# Altium PCB 电调主板.PcbDoc
Units mil, origin at the board's own origin, x right, y up, seen from the top; angles counter-clockwise.
Board outline 1785.48 x 2000.18 mil, 2 copper layers (Top Layer, Bottom Layer); 64 components, 29 nets, 154 pads, 86 vias.
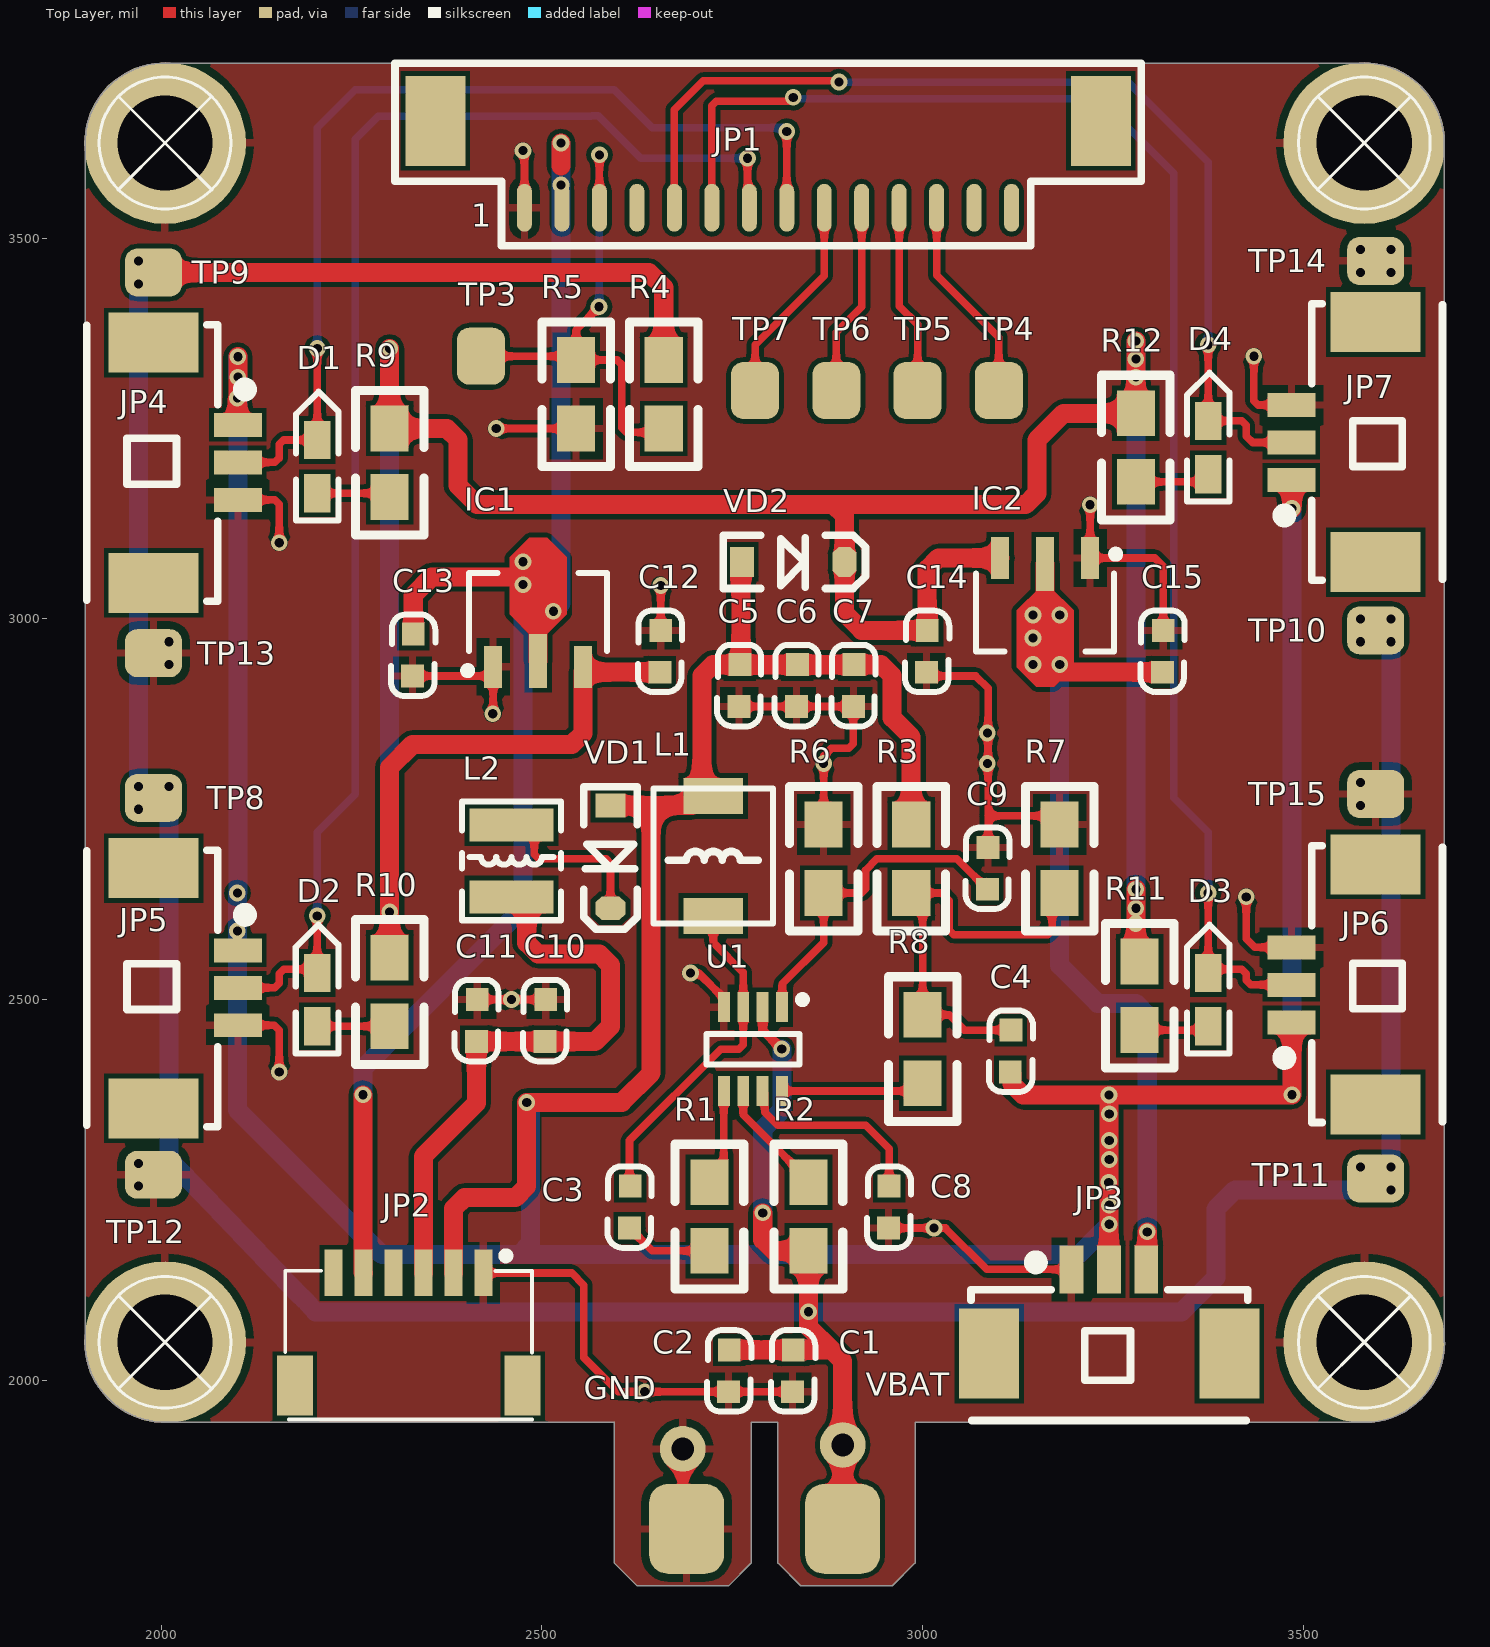
[diagram p0: Top Layer view]
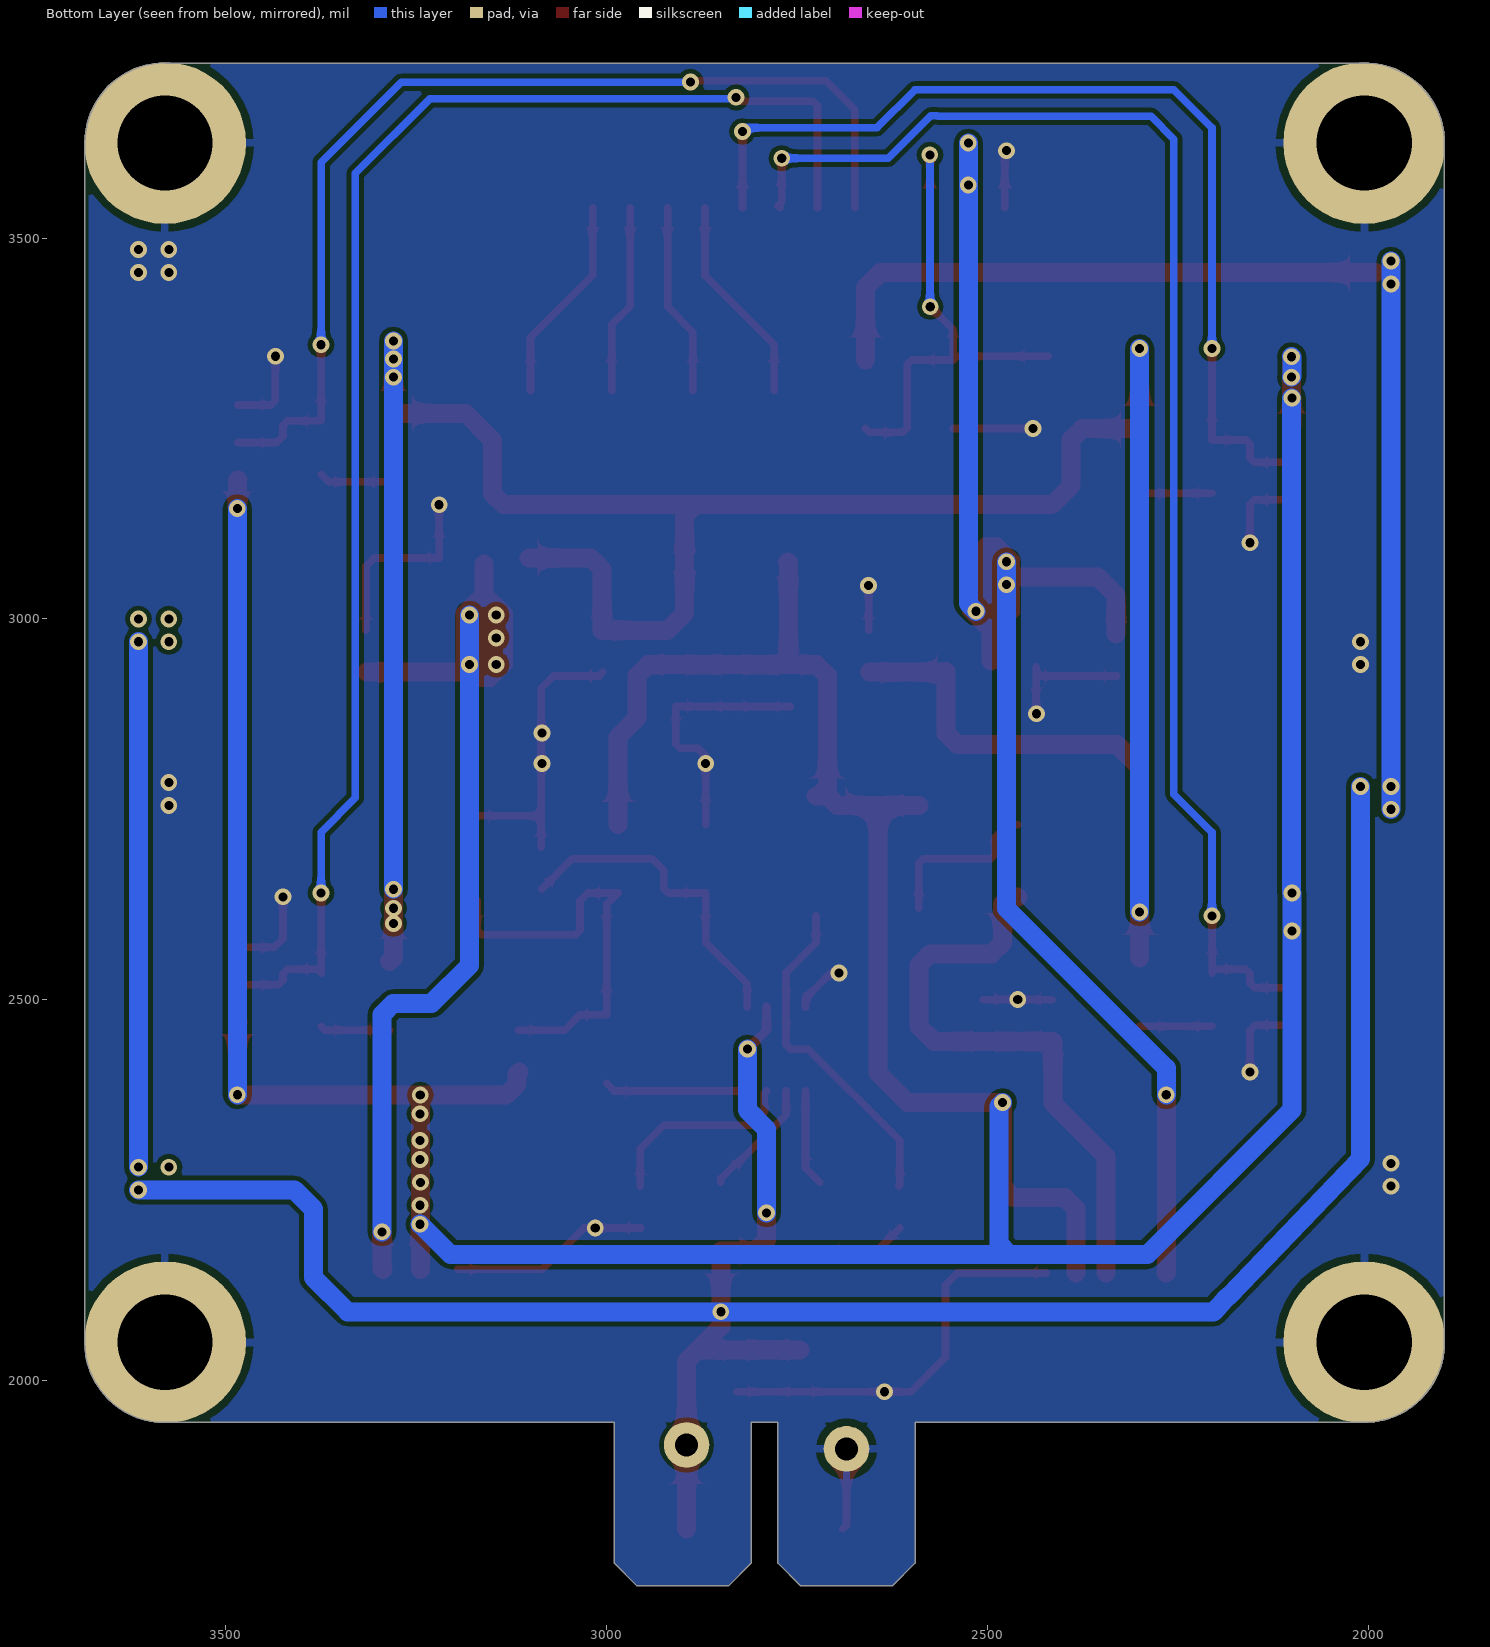
[diagram p1: Bottom Layer view, seen from below]
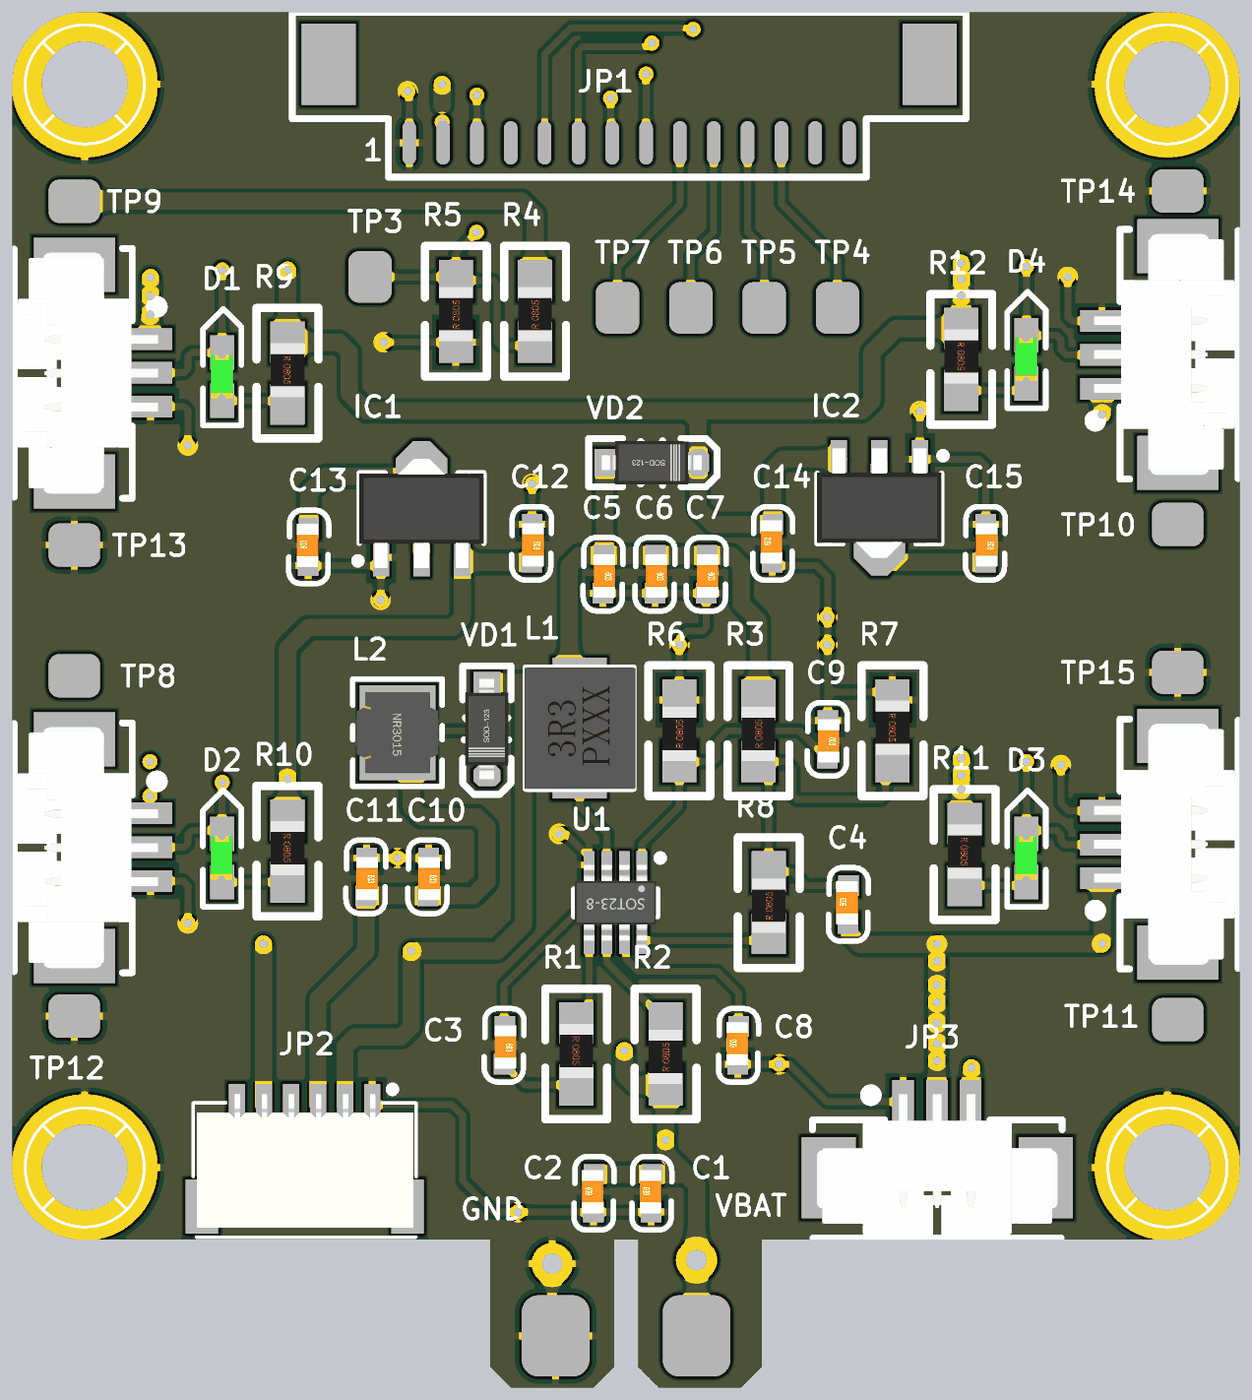
[diagram p2: 3D render of the assembled board from above, using the file's embedded part models]

## Layer stack, top to bottom
Top Solder: solder mask 0.4, Solder Resist, Dk 3.5
Top Layer: signal copper 1.4
Dielectric 1: dielectric 12.6, FR-4, Dk 4.8
Bottom Layer: signal copper 1.4
Bottom Solder: solder mask 0.4, Solder Resist, Dk 3.5

## Board outline
2595,1760 2595,1945 2000,1945 cw(c2005,2050) 1900.35,2040.03 1900,2040 1900,3630 cw(c2005,3625) 2000,3730 3580,3730 3580,3730.18 cw(c3580,3625) 3685.18,3625 3685.18,3624.8 3685.18,2050 3685.48,2050 cw(c3580,2050) 3590,1945 2990,1945 2990,1760 2960,1730 2840,1730 2810,1760 2810,1945 2775,1945 2775,1760 2745,1730 2625,1730

## Design rules (kind name [scope] priority, off if disabled: settings)
Clearance [All] p1: gap=6 ignorepadtopadclearanceinfootprint=FALSE
PolygonConnect [All] p1: thpad.connectstyle=Relief thpad.reliefconductorwidth=10 thpad.reliefentries=4 thpad.polygonreliefangle="90 Angle" thpad.airgapwidth=10 smdpad.connectstyle=Relief smdpad.reliefconductorwidth=10 smdpad.reliefentries=4 smdpad.polygonreliefangle="90 Angle" smdpad.airgapwidth=10 via.connectstyle=Direct via.reliefconductorwidth=10 via.reliefentries=4 via.polygonreliefangle="90 Angle" via.airgapwidth=10
RoutingVias [All] p1: holewidth=12 width=22 viastyle="Through Hole" minholewidth=12 minwidth=22 maxholewidth=12 maxwidth=22
SilkToSilkClearance [All] p1: silktosilkclearance=2
SilkToSolderMaskClearance [IsPad] p1: minsilkscreentomaskgap=2 clearancetoexposedcopper=TRUE
SolderMaskExpansion [All] p1: expansion=4 istentingtop=FALSE
Width POWER [InNetClass('POWER')] p1: maxlimit=60 minlimit=15 preferedwidth=25
Width Width_1 [All] p2: maxlimit=10 minlimit=10 preferedwidth=10
28 further rules are at their usual default settings.

## Classes and differential pairs
net class POWER: 3V3_MCU 3V3_SEN 4V5 5V 5V_LC VBAT
component class 电调主板: C1 C2 C3 C4 C5 C6 C7 C8 C9 C10 C11 C12 C13 C14 C15 D1 D2 D3 D4 IC1 IC2 JP1 JP2 JP3 JP4 JP5 JP6 JP7 L1 L2 R1 R2 R3 R4 R5 R6 R7 R8 R9 R10 R11 R12 TP3 TP4 TP5 TP6 TP7 TP8 TP9 TP10 TP11 TP12 TP13 TP14 TP15 U1 VD1 VD2

## Components (designator, comment, footprint, x,y, rotation, side; value= is the part's Value field where it differs from the comment)
C1 "47uF" 0603C 2828.65,1984.79 r90 top
C2 "47uF" 0603C 2744.65,1984.79 r90 top
C3 "104" 0603C 2616.35,2255.21 r270 top
C4 "22P" 0603C 3114.65,2404.79 r90 top
C5 "104" 0603C 2760.35,2940.21 r270 top
C6 "47uF" 0603C 2835.85,2940.21 r270 top
C7 "47uF" 0603C 2910.35,2940.21 r270 top
C8 "104" 0603C 2954.65,2199.79 r90 top
C9 "102" 0603C 3086.35,2700.21 r270 top
C10 "47uF" 0603C 2505.35,2500.21 r270 top
C11 "47uF" 0603C 2415.35,2500.21 r270 top
C12 "10UF" 0603C 2656.35,2985.21 r270 top
C13 "22UF" 0603C 2329.65,2924.79 r90 top
C14 "10UF" 0603C 3004.65,2929.79 r90 top
C15 "22UF" 0603C 3316.35,2985.21 r270 top
D1 "LED" LED-0603G 2205.26,3165 r90 top
D2 "LED" LED-0603G 2205,2465 r90 top
D3 "LED" LED-0603G 3375.26,2465 r90 top
D4 "LED" LED-0603G 3375.26,3190 r90 top
GND "TEST" "TEST PAD 1.8"#1 2690,1805 r0 top (schematic designator TP2)
HOLE1 "M3" "M3 5.4MM" 3580,3625 r0 top
HOLE2 "M3" "M3 5.4MM" 3580,2050 r0 top
HOLE3 "M3" "M3 5.4MM" 2005,2050 r0 top
HOLE4 "M3" "M3 5.4MM" 2005,3625 r0 top
IC1 "AMS1117" AMS1117 2495,2941.06 r90 top
IC2 "AMS1117" AMS1117 3160.94,3076.06 r270 top
JP1 "XINHAOXIAN" Headr14 2796.97,3597.09 r0 top locked
JP2 "FEIKONG" "SH1.0 S-W-6P" 2325,2060 r0 top
JP3 "JIESHOUJI" "MX 1.25-WS-3P" 3245,2035 r0 top
JP4 "CAMERA" "MX 1.25-WS-3P" 1990,3205 r270 top
JP5 "CAMERA" "MX 1.25-WS-3P" 1990,2515 r270 top
JP6 "CAMERA" "MX 1.25-WS-3P" 3595,2520 r90 top
JP7 "CAMERA" "MX 1.25-WS-3P" 3595,3232.24 r90 top
L1 "10uH" L-SMD-0420 2725,2688.74 r90 top
L2 "10uH" NR3015 2460,2682.24 r270 top
R1 "22R" 0805R 2720,2260 r270 top
R2 "100K" 0805R 2850,2170 r90 top
R3 "40.2K" 0805R 2985,2640 r90 top
R4 "5k" 0805R 2660,3250 r90 top
R5 "1K" 0805R 2545,3250 r90 top
R6 "75K" 0805R 2870,2640 r90 top
R7 "7.5K" 0805R 3180,2730 r270 top
R8 "20K" 0805R 3000,2390 r90 top
R9 "1k" 0805R 2300,3250 r270 top
R10 "1k" 0805R 2300,2555 r270 top
R11 "1k" 0805R 3285,2550 r270 top
R12 "1k" 0805R 3280,3270 r270 top
TP3 "TEST" "TEST PAD 1.8"#2 2420,3345 r0 top
TP4 "TEST" "TEST PAD 1.8"#2 3100,3300 r0 top
TP5 "TEST" "TEST PAD 1.8"#2 2993.33,3300 r0 top
TP6 "TEST" "TEST PAD 1.8"#2 2886.67,3300 r0 top
TP7 "TEST" "TEST PAD 1.8"#2 2780,3300 r0 top
TP8 "TEST" "TEST PAD 1.8"#2 1990,2765 r90 top
TP9 "TEST" "TEST PAD 1.8"#2 1990,3455 r90 top
TP10 "TEST" "TEST PAD 1.8"#2 3595,2985 r90 top
TP11 "TEST" "TEST PAD 1.8"#2 3595,2265 r90 top
TP12 "TEST" "TEST PAD 1.8"#2 1990,2270 r90 top
TP13 "TEST" "TEST PAD 1.8"#2 1990,2955 r90 top
TP14 "TEST" "TEST PAD 1.8"#2 3595,3470 r90 top
TP15 "TEST" "TEST PAD 1.8"#2 3595,2770 r90 top
U1 "DC MP2315" SOT23-8L 2777.2,2435 r180 top
VBAT "TEST" "TEST PAD 1.8"#3 2895,1805 r0 top (schematic designator TP1)
VD1 "SS14" SOD-123 2590,2687.5 r270 top
VD2 "SS14" SOD-123 2830,3075 r0 top

## Footprints (in the part's own frame and the unit in brackets; to place one, negate y for a bottom-side part, rotate by r counter-clockwise, add the part's x,y. Pads: shape width x height; smd on the part's side, far side on the other; paste and mask are expansions set on the pad)
0603C [mil]
  rect 30x30 smd: 1(0.21,-0.35) 2(55.21,-1.35)
  silkscreen extent -26,-30 81,28, body extent -1,-15 62,17, height 12
0805R [mil]
  rect 60x50 smd: 1(0,0) 2(90,0)
  silkscreen extent -50,-45 140,45, body extent 1,-25 80,25, height 15
AMS1117 [mm] "3V3降压芯片"
  rect 1.4x0.6 smd: 1(-0.1,1.5) 3(-0.1,-1.5)
  rect 1.8x0.6 smd: 2(0.1,0)
  Top Layer region: 0.889,0.189 1.65,0.95 3.55,0.95 4.2,0.3 4.2,-0.3 3.55,-0.95 1.65,-0.95 0.889,-0.189
  silkscreen extent -0.35,-2.3 3.02,2.47, body extent -0.5,-2.3 3.55,2.3, height 1.6
Headr14 [mm] "14pin卧贴接插件"
  oval 0.5x1.6 smd: 1(-8.125,-1.45) 2(-6.875,-1.45) 3(-5.625,-1.45) 4(-4.375,-1.45) 5(-3.125,-1.45) 6(-1.875,-1.45) 7(-0.625,-1.45) 8(0.625,-1.45) 9(1.875,-1.45) 10(3.125,-1.45) 11(4.375,-1.45) 12(5.625,-1.45) ""(6.875,-1.45) ""(8.125,-1.45)
  rect 2x3 smd: ""(-11.1,1.45) ""(11.1,1.45)
  silkscreen extent -12.45,-2.72 12.45,3.38
L-SMD-0420 [mm]
  rect 1.2x2 smd: 1(-2,0) 2(2,0)
  silkscreen extent -2.25,-2 2.25,2, body extent -2.25,-2.07 2.25,2.03, height 1.91
LED-0603G [mil]
  rect 50x35 smd: A(0,0.26) K(70,0.26)
  silkscreen extent -36,-28 134,28, body extent 4,-15 66,17, height 24
"M3 5.4MM" [mm] "M3螺丝孔，"
  round 5.4 hole 3.175: 0(0,0)
  silkscreen extent -2.2,-2.2 2.2,2.2
"MX 1.25-WS-3P" [mm]
  rect 2x3 smd: 0(-4.007,0) 0(4.007,0)
  rect 0.8x1.6 smd: 1(-1.264,2.811) 2(-0.014,2.811) 3(1.236,2.811)
  silkscreen extent -4.61,-2.23 4.62,3.25, body extent -4.45,-2.1 4.45,3.09, height 3.4
NR3015 [mm]
  rect 1.1x2.8 smd: 1(-1.2,0) 2(1.2,0)
  silkscreen extent -1.98,-1.65 1.98,1.65, body extent -1.5,-1.5 1.5,1.5, height 1.45
"SH1.0 S-W-6P" [mm]
  rect 1.2x2 smd: 0(-3.8,-1.7) 0(3.8,-1.7)
  rect 0.6x1.55 smd: 1(2.489,2.057) 2(1.489,2.057) 3(0.489,2.057) 4(-0.511,2.057) 5(-1.511,2.057) 6(-2.511,2.057)
  silkscreen extent -4.11,-2.83 4.11,2.76, body extent -3.99,-2.48 4.01,2.47, height 2.9
SOD-123 [mm]
  rect 0.8x1 smd: 1(-1.714,0)
  oct 0.8x1 smd: 2(1.714,0)
  silkscreen extent -2.34,-0.89 2.41,0.89, body extent -1.85,-0.8 1.85,0.8, height 1.22
SOT23-8L [mm]
  rect 0.4x1 smd: 1(-0.975,-1.397) 2(-0.325,-1.397) 3(0.325,-1.397) 4(0.975,-1.397) 5(0.975,1.397) 6(0.325,1.397) 7(-0.325,1.397) 8(-0.975,1.397)
  silkscreen extent -1.78,-1.78 1.55,0.51, body extent -1.5,-1.4 1.5,1.4, height 1.15
"TEST PAD 1.8"#1 [mm]
  rrect50% 2.5x3 smd: T(0,0)
"TEST PAD 1.8"#2 [mm]
  rrect50% 1.6x1.9 smd: 1(0,0)
"TEST PAD 1.8"#3 [mm]
  rrect50% 2.5x3 smd: 1(0,0)

## Part data
C1 C2 C3 C4 C5 C6 C7 C8 C9 C10 C11: library part C, "无极性贴片电容", BOM名称=无极性贴片电容, 学习资源=www.ooocke.com, 版权归属=源创客
C12 C13 C14 C15: library part CAP, "无极性电容"
GND TP3 TP4 TP5 TP6 TP7 TP8 TP9 TP10 TP11 TP12 TP13 TP14 TP15 VBAT: "测试点", BOM名称=测试点, 学习资源=www.ooocke.com, 版权归属=源创客
HOLE1 HOLE2 HOLE3 HOLE4: "铜柱孔", BOM名称=铜柱孔, 学习资源=www.ooocke.com, 版权归属=源创客
IC1 IC2: "3V3降压芯片"
JP1: library part Header14, "14PIN接插件"
JP2: library part "Header 6", "6P接插件", BOM名称=6P接插件, 学习资源=www.ooocke.com, 版权归属=源创客
JP3 JP4 JP5 JP6 JP7: library part "Header 3", "3P接插件", BOM名称=3P接插件, 学习资源=www.ooocke.com, 版权归属=源创客
L1: library part L-CDRH, "功率屏蔽电感", BOM名称=功率屏蔽电感, 学习资源=www.ooocke.com, 版权归属=源创客
L2: library part L-NR, "NR功率电感", BOM名称=NR功率电感, 学习资源=www.ooocke.com, 版权归属=源创客
R1 R2 R3 R4 R5 R6 R7 R8: library part R, "贴片电阻", BOM名称=贴片电阻, 学习资源=www.ooocke.com, 版权归属=源创客
R9 R10 R11 R12: library part RES
U1: "DC降压芯片"
VD1 VD2: "肖特基二极管", BOM名称=肖特基二极管, 学习资源=www.ooocke.com, 属性=40V/1A, 版权归属=源创客

## Free pads (board coordinates)
  round 60 hole 30: 1(2685,1910) 2(2895,1915.18)

## Via types
v1: diameter 22, hole 12, Top Layer to Bottom Layer, 86 vias

## Nets (pads, with @x,y where several pads share a name; then routed paths per layer and width w, separated by ;. In a path a pad name is that pad's centre, name@x,y a point inside that pad or via, vN(x,y) a via of type N, cw(c..) or ccw(c..) an arc to the next point about the centre after c; other vN are vias at no path point)
3V3_MCU: C13.2 IC1.2 JP1.2 JP2.5 | length 1988
  Top Layer w25: v1(2265,2375) 2265,2141.52 JP2.5 ; C13.2 2331,3031 2355,3055 v1@2475,3055 ; v1@2482.5,3052.5 2495,3040 IC1.2 ; 2525,3595 v1(2525,3625)
  Bottom Layer w25: v1(2265,2375) 2265,2410 2475,2620 v1(2475,3045) v1(2475,3075) ; v1(2515,3010) 2525,3020 v1(2525,3625)
  other v1: 2525,3570
3V3_SEN: C15.2 IC2.2 JP3.3 | length 1224.6
  Top Layer w25: IC2.2 3160.94,2944.64 3175.59,2930 C15.2 ; JP3.3 3295,2146.98 v1(3295,2195)
  Bottom Layer w25: v1(3180,3005) v1(3180,2940) 3180,2545 3230,2495 3280.36,2495 3295,2480.36 v1(3295,2195)
  other v1: 3145,2940 3145,2975 3145,3005
4V5: C12.2 C14.2 IC1.3 IC2.3 R9.1 R10.1 R11.1 R12.1 VD2.2 | length 4058.3
  Top Layer w25: R10.1 v1(2300,2615) 2300,2805 2330,2835 2539.41,2835 2554.06,2849.64 2554.06,2930.69 2554.74,2930 C12.2 ; v1(2300,3355) R9.1 2375.36,3250 2390,3235.36 2390,3175 2415,3150 2882.86,3150 ; IC2.3 3020.64,3080 3006,3065.36 C14.2 2920,2985 2897.5,3007.5 VD2.2 2897.5,3135.36 2882.86,3150 ; v1(3280,2645) v1(3280,2620) v1(3280,2600) 3280,2555 R11.1 ; v1(3280,3365) v1(3280,3341.25) v1(3280,3317.5) R12.1 3185,3270 3150,3235 3150,3164.64 3135.36,3150 2882.86,3150
  Bottom Layer w25: v1(2300,2615) v1(2300,3355) ; v1(3280,2645) v1(3280,3317.5) v1(3280,3341.25) v1(3280,3365)
5V: C4.1 C5.1 C6.1 C7.1 JP2.2 JP3.2 JP4.1 JP5.1 JP6.1 JP7.1 L1.2 R3.2 VD1.1 VD2.1 | length 5764.3
  Top Layer w25: JP4.1 2100,3255.41 v1(2100,3290) 2100.65,3290.65 v1(2100.65,3344.35) ; JP2.2 2383.63,2225.36 2398.27,2240 2465.36,2240 2480,2254.64 v1(2480,2365) 2605,2365 2643.39,2403.39 2643.39,2755 ; VD1.1 2643.39,2755 ; L1.2 L1.2@2721.12,2767.48 ; VD2.1 2761.25,3073.75 2761.25,2941.25 C5.1 ; R3.2 2985,2845 2960,2870 2960,2925.36 2945.36,2940 C7.1 C6.1 C5.1 ; C4.1 3117.5,2402.5 3117.5,2389.1 3132.14,2374.46 3244.46,2374.46 JP3.2 ; v1(3244.73,2374.73) 3245,2375 v1(3485,2375) 3485,2469.59 JP6.1 ; JP7.1 3485,3181.83 v1(3485,3145) ; 2643.39,2755 2696.77,2755 2709.25,2767.48 L1.2@2721.12,2767.48 ; L1.2@2721.12,2767.48 2710,2778.6 2710,2925.36 2724.64,2940 C5.1
  Bottom Layer w25: v1@2100.65,3290 2100.65,2640.65 v1(2100,2640) v1(2100,2590) 2100,2355 2290,2165 2470.36,2165 ; v1(2100.65,3317.5) 2100,3318.15 2100,3343.69 v1(2100.65,3344.35) ; v1(2480,2365) 2485,2360 2485,2179.64 2470.36,2165 ; v1(3245,2205) 3205,2165 2470.36,2165 ; v1(3485,2375) v1(3485,3145)
  other v1: 3245,2230 3244.46,2260.06 3245,2290 3245,2315 3245,2350
5V_LC: C10.2 C11.2 JP2.3 L2.2 | length 794.7
  Top Layer w25: JP2.3 2344.26,2294.26 2414,2364 C11.2 C10.2 2570,2445 2590,2465 2590,2545.36 2575.36,2560 2494.64,2560 2480,2574.64 2480,2625.85 2470.85,2635 L2.2
ADC_BAT: JP1.3 R4.1 R5.2 TP3.1 | length 684.6
  Top Layer w10: TP3.1 2540,3345 R5.2 ; v1(2575,3410) 2545,3380 R5.2 ; v1@2575,3610 v1(2575.51,3609.49) JP1.3 ; R4.1 2655,3245 2610.86,3245 2605,3250.86 2605,3334.14 2599.14,3340 R5.2
  Bottom Layer w10: v1(2575,3410) 2575.26,3410.26 2575.26,3609.23 v1(2575.51,3609.49)
GND: C1.1 C2.1 C5.2 C6.2 C7.2 C8.1 C9.1 C10.1 C11.1 C12.1 C13.1 C14.1 C15.1 GND.T HOLE1.0 HOLE2.0 HOLE3.0 HOLE4.0 IC1.1 IC2.1 JP1.1 JP2.1 JP3.1 JP4.3 JP5.3 JP6.3 JP7.3 pad.1 R5.1 R6.2 R7.1 TP12.1 TP13.1 TP14.1 TP15.1 U1.4 | length 2902.9
  Top Layer w10: JP5.3 2148.67,2466.33 2155,2460 v1(2155,2405) ; JP4.3 2149.14,3156.33 2155,3150.47 v1(2155,3100) ; C13.1 2429.13,2925 IC1.1@2435.94,2931.81 ; C11.1 C10.1 ; JP2.1 2539,2141 2555,2125 2555,2030 2600,1985 C2.1 C1.1 ; v1@2435,2875 2435.94,2875.94 IC1.1@2435.94,2931.81 ; IC1.1 IC1.1@2435.94,2931.81 ; v1(2440,3250) R5.1 ; v1(2475,3615) 2477.09,3612.91 JP1.1 ; v1@2655,3045 v1(2656,3044) C12.1 ; pad.1 2685,1810 GND.T ; v1(2695,2535) 2705.63,2535 2738.82,2501.81 U1.4 ; C5.2 C6.2 C7.2 2909,2835.86 2903.14,2830 2880,2830 2870,2820 R6.2 ; C8.1 3030,2200 3084.35,2145.65 JP3.1 ; C14.1 3010,2925 3070,2925 3086,2909 3086,2741.27 ; C9.1 3086,2741.27 ; R7.1 3168.73,2741.27 3086,2741.27 ; v1(3220,3150) IC2.1 3305,3080 3316,3069 C15.1 ; v1(3425,2635) 3425,2580 3436.33,2568.67 JP6.3 ; v1(3435,3345) 3435,3286.77 3440.86,3280.91 JP7.3
  other v1: 2635,1985 3015,2200 1970,2255 1970,2285 2460,2500 3575,2755 3575,2785 2870,2810 3085,2810 3085,2850 2435.47,2875.47 2010,2940 2010,2970 3575,3455 3615,3455 3575,3485 3615,3485
NetC3_1: C3.1 L1.1 U1.3 | length 447.4
  Top Layer w10: C3.1 2615,2256 2615,2315 2735,2435 2758.55,2435 2764.41,2440.86 U1.3 2764.41,2535.59 2725,2575 L1.1
NetC3_2: C3.2 R1.2 | length 117.4
  Top Layer w10: C3.2 2645,2170 R1.2
NetC4_2: C4.2 R3.1 R7.2 R8.2 | length 576.9
  Top Layer w10: C4.2 3055,2460 3035,2480 R8.2 3000,2625 R3.1 3025,2640 3035,2630 3035,2590.86 3040.86,2585 3164.14,2585 3170,2590.86 3170,2630 R7.2
NetC8_2: C8.2 U1.7 | length 261.1
  Top Layer w10: U1.7 2792.87,2377.13 2792.87,2352.13 2810,2335 2925,2335 2956,2304 C8.2
NetC9_2: C9.2 R6.1 U1.1 | length 436.9
  Top Layer w10: U1.1 2815.59,2520.59 2870,2575 R6.1 2919.14,2640 2925,2645.86 2925,2670 2940,2685 3045,2685 C9.2
NetD1_A: D1.A R9.2 | length 97.1
  Top Layer w10: D1.A 2295,3165 R9.2
NetD2_A: D2.A R10.2 | length 95.3
  Top Layer w10: D2.A R10.2
NetD3_A: D3.A R11.2 | length 92.1
  Top Layer w10: R11.2 3370,2460 D3.A
NetD4_A: D4.A R12.2 | length 99.1
  Top Layer w10: R12.2 3365,3180 D4.A
NetL2_1: L2.1 VD1.2 | length 222.9
  Top Layer w10: L2.1 2473.35,2729.49 2490,2712.83 2490,2690.86 2495.86,2685 2584.14,2685 2590,2679.14 VD1.2
NetR1_1: R1.1 U1.5 | length 127.8
  Top Layer w10: R1.1 2738.82,2278.82 U1.5
NetR2_2: R2.2 U1.6 | length 156.6
  Top Layer w10: U1.6 2764.41,2348.62 2828.03,2285 2830,2285 2850,2265 R2.2
NetR8_1: R8.1 U1.8 | length 188.6
  Top Layer w10: U1.8 2990,2380 R8.1
S1: D4.K JP1.5 JP7.2 | length 1359.4
  Top Layer w10: JP1.5 2673.94,3668.94 2712,3707 2888,3707 v1(2890,3705) ; v1(3375,3360) D4.K 3419.14,3260 3425,3254.14 3425,3240 3433.3,3231.7 JP7.2
  Bottom Layer w10: v1(2890,3705) 3270,3705 3375,3600 v1(3375,3360)
S2: D3.K JP1.6 JP6.2 | length 1980.6
  Top Layer w10: JP1.6 2723.15,3674.14 2729.01,3680 2825,3680 v1(2830,3685) ; v1(3375,2640) D3.K 3380,2540 3419.14,2540 3425,2534.14 3425,2525.31 3430.86,2519.46 JP6.2
  Bottom Layer w10: v1(2830,3685) 2832,3683 3232,3683 3330,3585 3330,2765 3375,2720 v1(3375,2640)
S3: D2.K JP1.7 JP5.2 | length 1858.6
  Top Layer w10: JP5.2 2149.14,2515.54 2155,2521.4 2155,2534.14 2160.86,2540 2199.75,2540 D2.K 2204.74,2609.74 v1(2205,2610) ; v1(2770,3605) 2770,3547.64 2775,3542.64 JP1.7
  Bottom Layer w10: v1(2205,2610) 2205,2720 2255,2770 2255,3630 2285,3660 2565,3660 2565.86,3660.86 2574.14,3660.86 2630,3605 v1(2770,3605)
S4: D1.K JP1.8 JP4.2 | length 1297
  Top Layer w10: JP4.2 2149.14,3205.54 2155,3211.4 2155,3229.14 2160.86,3235 D1.K v1(2205,3355) ; JP1.8 v1(2821.57,3640)
  Bottom Layer w10: v1(2205,3355) 2205,3645 2255,3695 2595,3695 2645,3645 2813.33,3645 2818.33,3640 v1(2821.57,3640)
S5: JP1.9 TP7.1 | length 277.6
  Top Layer w10: TP7.1 2780,3360 2870.79,3450.79 JP1.9
S6: JP1.10 TP6.1 | length 253.8
  Top Layer w10: TP6.1 2886.67,3376.67 2920,3410 JP1.10
S7: JP1.11 TP5.1 | length 250
  Top Layer w10: JP1.11 2969.21,3410.79 2993.33,3386.67 TP5.1
S8: JP1.12 TP4.1 | length 273.8
  Top Layer w10: JP1.12 3018.43,3451.57 3100,3370 TP4.1
VBAT: C1.2 C2.2 pad.2 R2.1 R4.2 TP8.1 TP9.1 TP10.1 TP11.1 U1.2 VBAT.1 | length 5392.6
  Top Layer w12: U1.2 2790,2460 v1(2815,2435)
  Top Layer w25: TP9.1 2640.36,3455 2660,3435.36 R4.2 ; C2.2 C1.2 2880.36,2040 ; v1(2790,2220) 2790,2184.64 2804.64,2170 R2.1 v1(2850,2090) 2850,2070.36 2880.36,2040 ; VBAT.1 2895,2025.36 2880.36,2040
  Bottom Layer w25: v1(1970,2750) v1(1970,2780) v1(1970,3440) v1(1970,3470) ; v1(2010,2780) 2010,2290.61 2182.96,2110.58 cw(c2157.11,2075.72) 2189.31,2104.81 2202.75,2090 2825,2090 v1(2850,2090) 3340.18,2090 3385,2134.82 3385,2225 3410,2250 v1(3615,2250) ; v1(2790,2220) 2790,2330 2815,2355 v1(2815,2435) ; v1(3615,2280) v1(3615,2970)
  other v1: 3575,2280 3575,2970 3575,3000 3615,3000
pads on no net: JP1. JP1.4 JP2.0 JP2.4 JP2.6 JP3.0 JP4.0 JP5.0 JP6.0 JP7.0

## Polygon pours and split planes (outlines as drawn)
GND on Bottom Layer "GND_L02_P004" (solid, pour order 4): 2595,1945 2595,1760 2625,1730 2745,1730 2775,1760 2775,1945 2810,1945 2810,1760 2840,1730 2960,1730 2990,1760 2990,1945
GND on Bottom Layer "GND_L02_P002" (solid, pour order 2): 2000,3730 2005,3725 2005,3625 1900,3625 1900,2035 2000,2035 2005,2040 2005,1945 3580,1945 3580,2050 3680,2050 3685,2055 3680,2060 3680,3640 3590,3640 3585,3635 3580,3640 3580,3730
GND on Top Layer "GND_L01_P007" (solid, pour order 7): 2005,3735 2005,3625 1905,3625 1900,3620 1900,2050 2005,2050 2010,2045 2010,1945 2595,1945 2595,1760 2625,1730 2745,1730 2775,1760 2775,1945 2810,1945 2810,1760 2840,1730 2960,1730 2990,1760 2990,1945 3585,1945 3580,1950 3580,2050 3660,2050 3685,2075 3685,3615 3590,3615 3565,3640 3565,3730 2010,3730
no net on Top Layer "NONET_L01_P006" (solid, pour order 6): 2005,3735

## Silkscreen, mask and mechanical layers (free items; w line width, h text height)
Mechanical 1:
  lines w10: 1900,2040 1900,3630 cw(c2005,3625) 2000,3730 3580,3730 ; 1900.35,2040.03 ccw(c2005,2050) 2000,1945 2397.5,1945 2595,1945 2595,1760 2625,1730 2745,1730 2775,1760 2775,1945 2792.5,1945 2810,1945 2810,1760 2840,1730 2960,1730 2990,1760 2990,1945 3192.5,1945 3590,1945 ccw(c3580,2050) 3685.48,2050 ; 3580,3730.18 cw(c3580,3625) 3685.18,3625 ; 3685.18,2050 3685.18,3624.8

## Text inside footprints (layer, text, board x,y; h text height)
JP1: Top Overlay "1" at 2406.97,3515 h30